# Altium PCB PCB_LEFT_AV-RK MK II_2023-07-26.pcbdoc
Units mil, origin at the board's own origin, x right, y up, seen from the top; angles counter-clockwise.
Board outline 9958.05 x 10182.91 mil, 2 copper layers (Top Layer, Bottom Layer); 52 components, 57 nets, 276 pads, 66 vias.
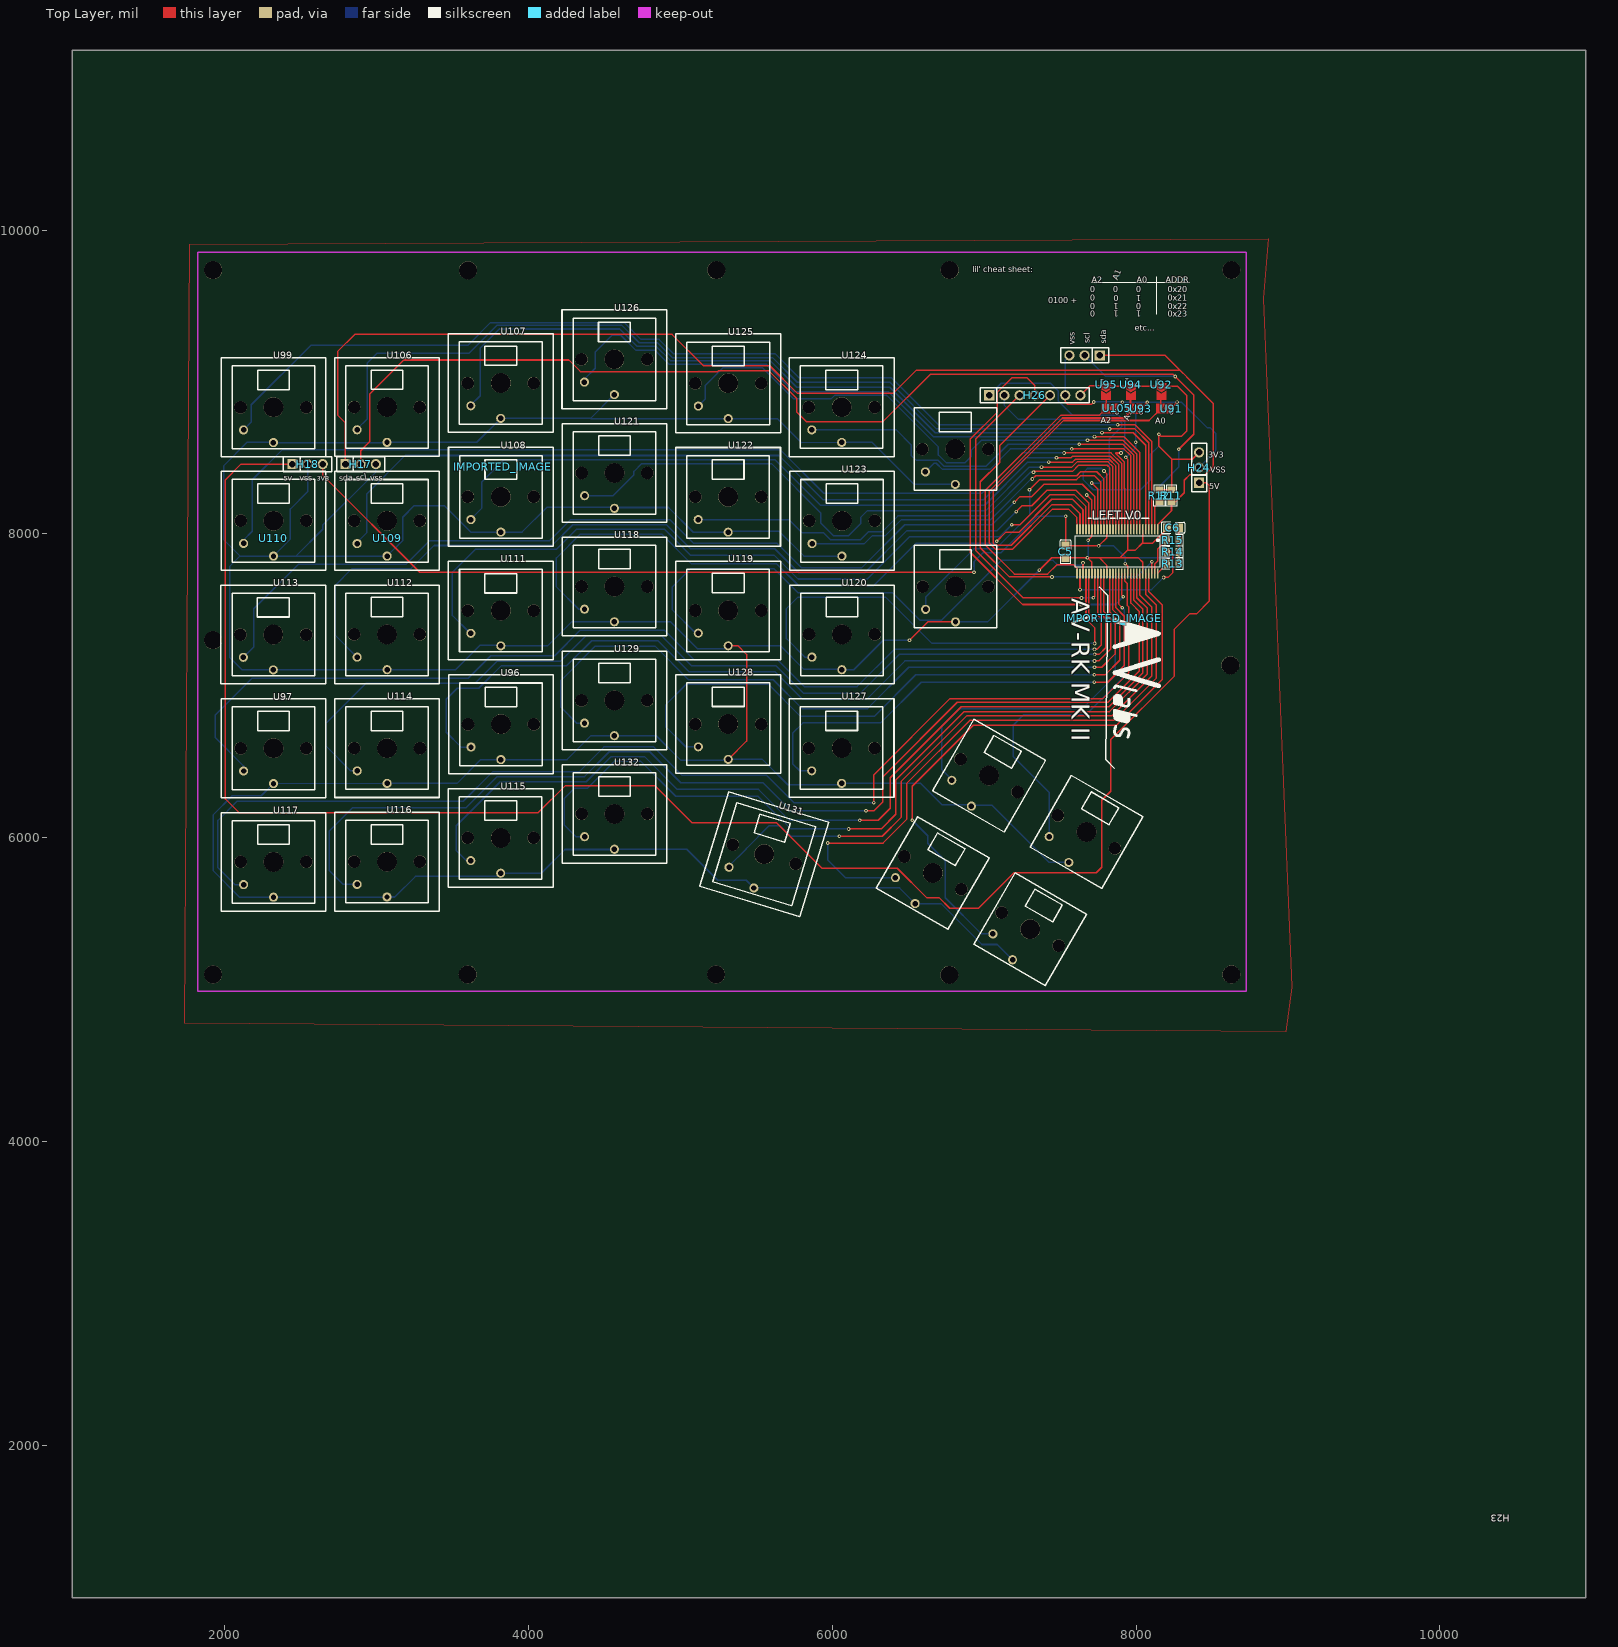
[diagram p0: Top Layer view]
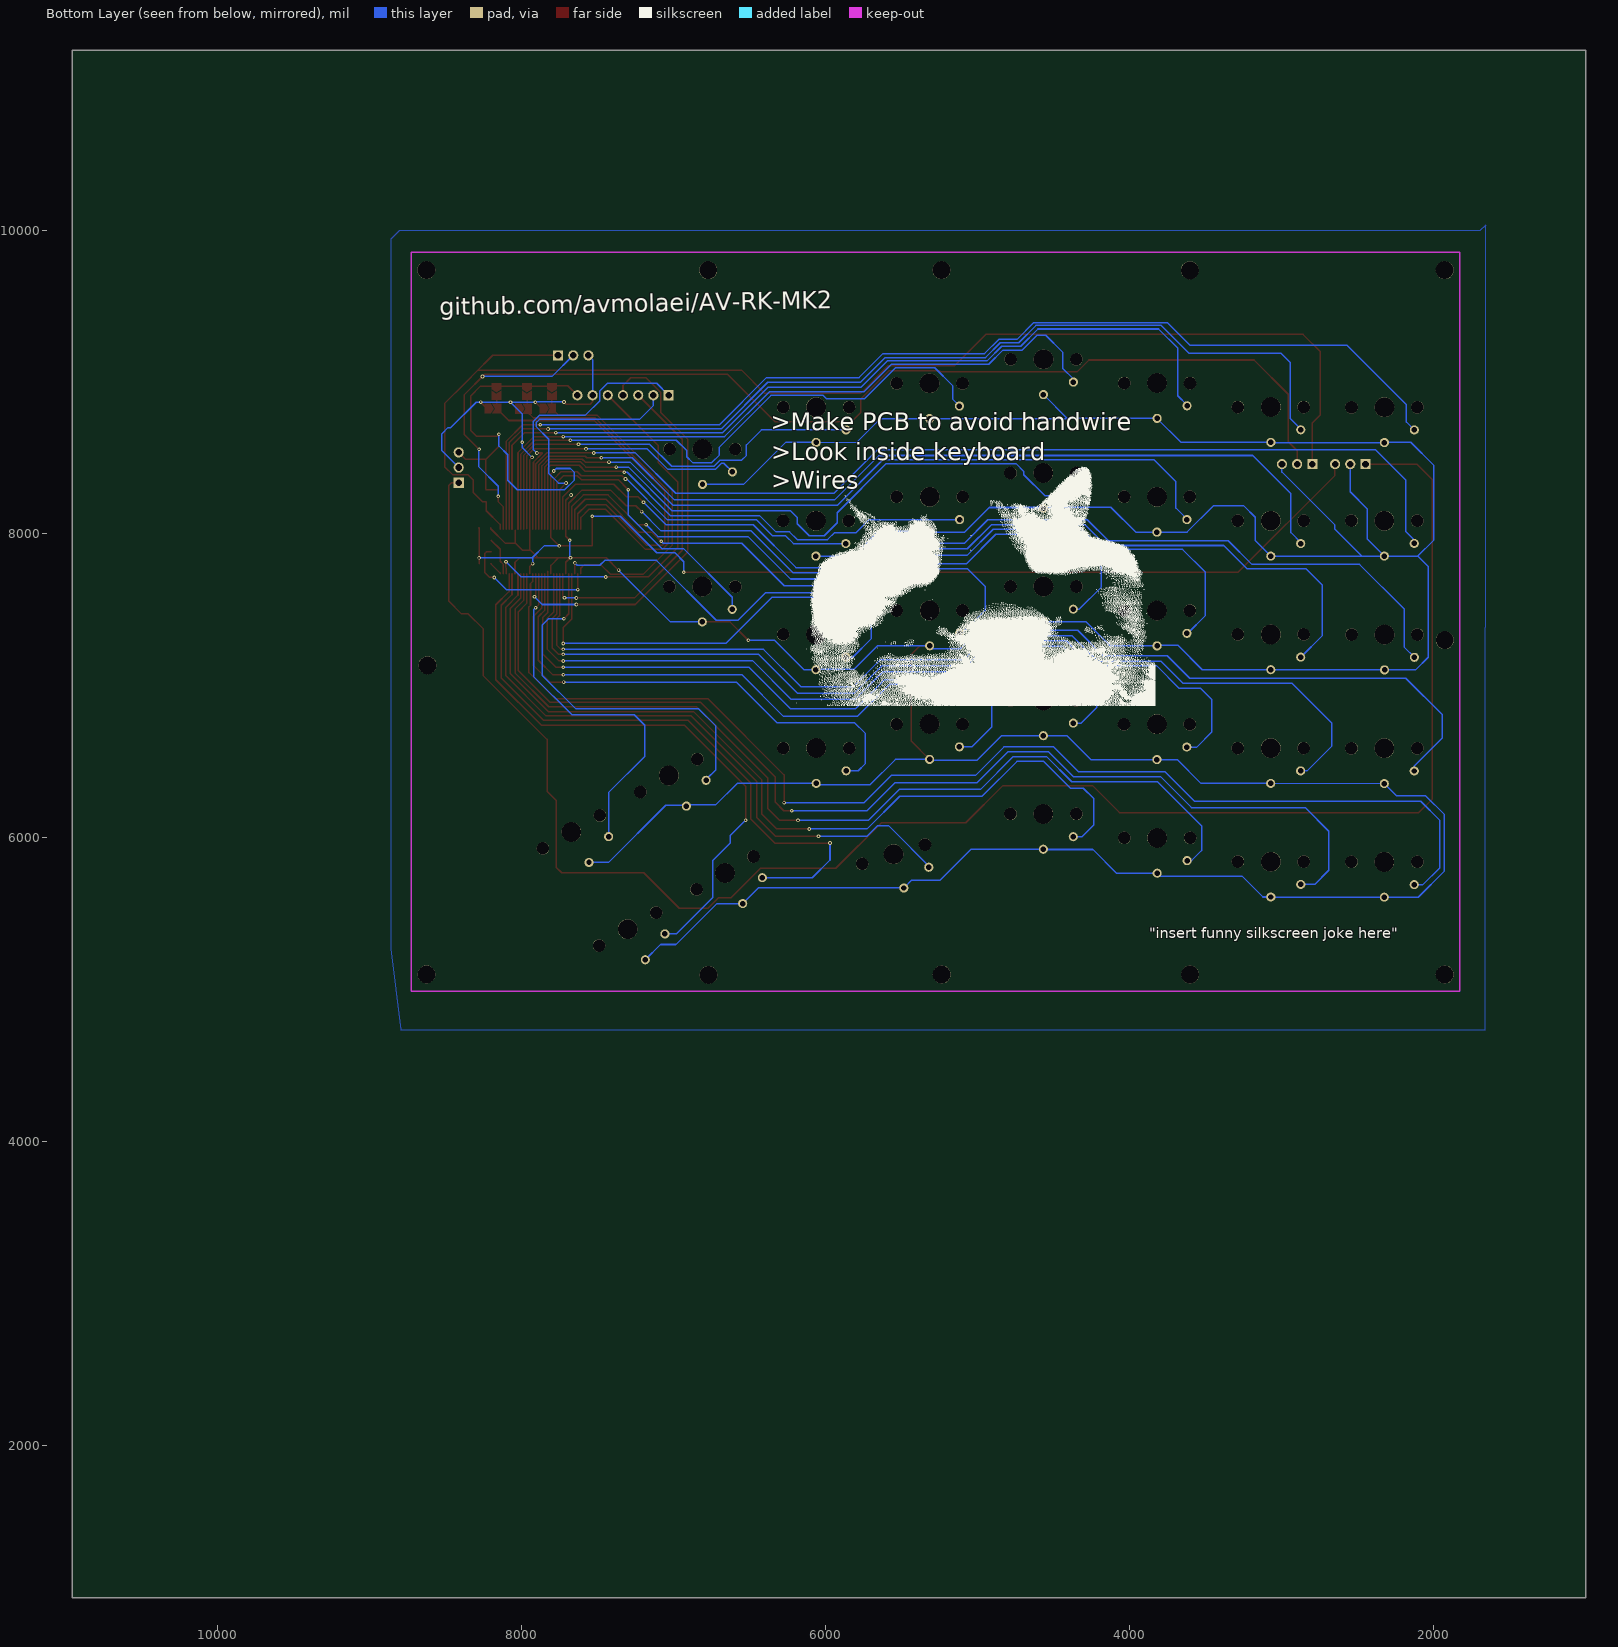
[diagram p1: Bottom Layer view, seen from below]

## Layer stack, top to bottom
Top Layer: signal copper (thickness not stored)
Dielectric: dielectric 12.6, FR-4, Dk 4.8
Bottom Layer: signal copper (thickness not stored)

## Board outline
10958.05,1000 1000,1000 1000,11182.91 10958.05,11182.91

## Components (designator, comment, footprint, x,y, rotation, side; value= is the part's Value field where it differs from the comment)
C5 "100nF" C0805 7536.4,7883.11 r270 top
C6 "100nF" C0805 8243.09,8040.99 r180 top
H17 "I2C_POGO_L" HDR-TH_3P-P2.54-V-M 2897.82,8459.49 r0 top
H18 "PWR_POGO_L" HDR-TH_3P-P2.54-V-M 2548.22,8459.49 r0 top
H23 "I2C_POGO_R" HDR-TH_3P-P2.54-V-M 7661.59,9175.24 r180 top
H24 "PWR_POGO_R" HDR-TH_3P-P2.54-V-M 8415.14,8437.05 r90 top
H26 "X6511WV-07H-C30D60" HDR-TH_7P-P2.54-V-M 7334.03,8912.64 r0 top
IMPORTED_IMAGE "IMPORTED_IMAGE" IMPORTED_IMAGE 3832.13,8443.5 r0 top
IMPORTED_IMAGE "IMPORTED_IMAGE" IMPORTED_IMAGE 7847.14,7443.81 r0 top
R11 "4.7kΩ" R0805 8233.25,8251.22 r90 top
R12 "4.7kΩ" R0805 8153.72,8250.04 r90 top
R13 "1.1kΩ" R0805 8241.91,7803.19 r0 top
R14 "1.1kΩ" R0805 8241.91,7881.54 r0 top
R15 "2kΩ" R0805 8241.12,7959.1 r0 top
U91 "beautiful-solderbridge" BEAUTIFUL-SOLDER-BRIDGE 8230.88,8824.45 r0 top
U92 "beautiful-solderbridge" BEAUTIFUL-SOLDER-BRIDGE 8167.1,8980.75 r90 top
U93 "beautiful-solderbridge" BEAUTIFUL-SOLDER-BRIDGE 8030.49,8824.06 r0 top
U94 "beautiful-solderbridge" BEAUTIFUL-SOLDER-BRIDGE 7966.32,8980.36 r90 top
U95 "beautiful-solderbridge" BEAUTIFUL-SOLDER-BRIDGE 7802.54,8980.36 r90 top
U96 "TECLA KAILH CHOC BAJO PERFIL 1350 RGB COPY" "TECLA  KAILH CHOC BAJO PERFIL 1350 RGB" 3820.66,6747.68 r0 top
U97 "TECLA KAILH CHOC BAJO PERFIL 1350 RGB COPY" "TECLA  KAILH CHOC BAJO PERFIL 1350 RGB" 2324.2,6589.81 r0 top
U99 "TECLA KAILH CHOC BAJO PERFIL 1350 RGB COPY" "TECLA  KAILH CHOC BAJO PERFIL 1350 RGB" 2323.81,8833.9 r0 top
U105 "beautiful-solderbridge" BEAUTIFUL-SOLDER-BRIDGE 7871.44,8826.42 r0 top
U106 "TECLA KAILH CHOC BAJO PERFIL 1350 RGB COPY" "TECLA  KAILH CHOC BAJO PERFIL 1350 RGB" 3071.05,8835.08 r0 top
U107 "TECLA KAILH CHOC BAJO PERFIL 1350 RGB COPY" "TECLA  KAILH CHOC BAJO PERFIL 1350 RGB" 3819.47,8992.95 r0 top
U108 "TECLA KAILH CHOC BAJO PERFIL 1350 RGB COPY" "TECLA  KAILH CHOC BAJO PERFIL 1350 RGB" 3820.26,8244.53 r0 top
U109 "TECLA KAILH CHOC BAJO PERFIL 1350 RGB COPY" "TECLA  KAILH CHOC BAJO PERFIL 1350 RGB" 3071.44,8086.66 r0 top
U110 "TECLA KAILH CHOC BAJO PERFIL 1350 RGB COPY" "TECLA  KAILH CHOC BAJO PERFIL 1350 RGB" 2324.2,8087.05 r0 top
U111 "TECLA KAILH CHOC BAJO PERFIL 1350 RGB COPY" "TECLA  KAILH CHOC BAJO PERFIL 1350 RGB" 3819.87,7495.71 r0 top
U112 "TECLA KAILH CHOC BAJO PERFIL 1350 RGB COPY" "TECLA  KAILH CHOC BAJO PERFIL 1350 RGB" 3071.44,7339.02 r0 top
U113 "TECLA KAILH CHOC BAJO PERFIL 1350 RGB COPY" "TECLA  KAILH CHOC BAJO PERFIL 1350 RGB" 2323.02,7337.84 r0 top
U114 "TECLA KAILH CHOC BAJO PERFIL 1350 RGB COPY" "TECLA  KAILH CHOC BAJO PERFIL 1350 RGB" 3071.84,6590.6 r0 top
U115 "TECLA KAILH CHOC BAJO PERFIL 1350 RGB COPY" "TECLA  KAILH CHOC BAJO PERFIL 1350 RGB" 3819.08,6000.05 r0 top
U116 "TECLA KAILH CHOC BAJO PERFIL 1350 RGB COPY" "TECLA  KAILH CHOC BAJO PERFIL 1350 RGB" 3071.05,5843.35 r0 top
U117 "TECLA KAILH CHOC BAJO PERFIL 1350 RGB COPY" "TECLA  KAILH CHOC BAJO PERFIL 1350 RGB" 2324.2,5842.17 r0 top
U118 "TECLA KAILH CHOC BAJO PERFIL 1350 RGB COPY" "TECLA  KAILH CHOC BAJO PERFIL 1350 RGB" 4567.5,7654.38 r0 top
U119 "TECLA KAILH CHOC BAJO PERFIL 1350 RGB COPY" "TECLA  KAILH CHOC BAJO PERFIL 1350 RGB" 5316.32,7496.5 r0 top
U120 "TECLA KAILH CHOC BAJO PERFIL 1350 RGB COPY" "TECLA  KAILH CHOC BAJO PERFIL 1350 RGB" 6064.35,7339.02 r0 top
U121 "TECLA KAILH CHOC BAJO PERFIL 1350 RGB COPY" "TECLA  KAILH CHOC BAJO PERFIL 1350 RGB" 4567.9,8401.22 r0 top
U122 "TECLA KAILH CHOC BAJO PERFIL 1350 RGB COPY" "TECLA  KAILH CHOC BAJO PERFIL 1350 RGB" 5315.93,8244.14 r0 top
U123 "TECLA KAILH CHOC BAJO PERFIL 1350 RGB COPY" "TECLA  KAILH CHOC BAJO PERFIL 1350 RGB" 6064.75,8086.66 r0 top
U124 "TECLA KAILH CHOC BAJO PERFIL 1350 RGB COPY" "TECLA  KAILH CHOC BAJO PERFIL 1350 RGB" 6063.17,8834.29 r0 top
U125 "TECLA KAILH CHOC BAJO PERFIL 1350 RGB COPY" "TECLA  KAILH CHOC BAJO PERFIL 1350 RGB" 5316.72,8991.38 r0 top
U126 "TECLA KAILH CHOC BAJO PERFIL 1350 RGB COPY" "TECLA  KAILH CHOC BAJO PERFIL 1350 RGB" 4567.11,9149.25 r0 top
U127 "TECLA KAILH CHOC BAJO PERFIL 1350 RGB COPY" "TECLA  KAILH CHOC BAJO PERFIL 1350 RGB" 6062.78,6590.99 r0 top
U128 "TECLA KAILH CHOC BAJO PERFIL 1350 RGB COPY" "TECLA  KAILH CHOC BAJO PERFIL 1350 RGB" 5316.72,6748.86 r0 top
U129 "TECLA KAILH CHOC BAJO PERFIL 1350 RGB COPY" "TECLA  KAILH CHOC BAJO PERFIL 1350 RGB" 4567.5,6904.77 r0 top
U131 "TECLA KAILH CHOC BAJO PERFIL 1350 RGB COPY" "TECLA  KAILH CHOC BAJO PERFIL 1350 RGB" 5553.72,5892.57 r343 top
U132 "TECLA KAILH CHOC BAJO PERFIL 1350 RGB COPY" "TECLA  KAILH CHOC BAJO PERFIL 1350 RGB" 4567.9,6157.53 r0 top
? "" ? 2866.64,10077.49 r0 top
? "" ? 8998.44,7300.83 r0 top
? "" ? 8320.65,5329.72 r0 top

## Footprints (in the part's own frame and the unit in brackets; to place one, negate y for a bottom-side part, rotate by r counter-clockwise, add the part's x,y. Pads: shape width x height; smd on the part's side, far side on the other; paste and mask are expansions set on the pad)
BEAUTIFUL-SOLDER-BRIDGE [mil]
  Top Layer region: -96.46,31.5 -37.4,31.5 -57.09,0 -37.4,-31.5 -96.46,-31.5
  Top Layer region: -47.24,0 -27.56,31.5 11.81,31.5 11.81,-31.5 -27.56,-31.5
C0805 [mm]
  rect 1.41x1.35 smd paste-100 mask+0.051: 1(-1,0) 2(1,0)
  silkscreen extent -1.96,-0.9 1.96,0.9
HDR-TH_3P-P2.54-V-M [mm]
  rect 1.7x1.7 hole 1.1 paste+0 mask+0.051: 1(-2.54,0)
  round 1.7 hole 1.1 paste+0 mask+0.051: 2(0,0) 3(2.54,0)
  silkscreen extent -4.02,-1.27 4.02,1.27
HDR-TH_7P-P2.54-V-M [mm]
  rect 1.7x1.7 hole 1.1 paste+0 mask+0.051: 1(-7.62,0)
  round 1.7 hole 1.1 paste+0 mask+0.051: 2(-5.08,0) 3(-2.54,0) 4(0,0) 5(2.54,0) 6(5.08,0) 7(7.62,0)
  silkscreen extent -9.1,-1.27 9.1,1.27
IMPORTED_IMAGE [mil]
R0805 [mil]
  rect 44.59x54.21 smd paste-3937.01 mask+2: 1(-39.37,0) 2(39.37,0)
  silkscreen extent -69,-36 69,36
"TECLA  KAILH CHOC BAJO PERFIL 1350 RGB" [mil]
  round 60 hole 36 paste+0 mask+2: 1(-196.85,-149.65) 2(0,-232.32)
  round 82.68 hole 82.68 unplated paste+0: ""(-216.53,-0.04) ""(216.54,-0.04)
  round 129.92 hole 129.92 unplated paste+0: ""(0,0)
  silkscreen extent -344,-325 344,325
? [mil]

## Free pads (board coordinates)
  round 60 hole 36 paste+0 mask+2: 1(6417.08,5738.17) 1(6613.96,8408.66) 1(6615.14,7503.94) 1(6787.55,6379.11) 1(7058.03,5368.09) 1(7428.5,6008.25) 2(6546.22,5568.14) 2(6810.81,8325.99) 2(6811.99,7421.27) 2(6916.69,6209.09) 2(7187.16,5198.06) 2(7557.64,5838.22)
  oval 11.02x66.93 smd paste+0 mask+2: 1(8143.09,8030.75) 2(8123.4,8030.75) 3(8103.72,8030.75) 4(8084.03,8030.75) 5(8064.35,8030.75) 6(8044.66,8030.75) 7(8024.98,8030.75) 8(8005.29,8030.75) 9(7985.61,8030.75) 10(7965.92,8030.75) 11(7946.24,8030.75) 12(7926.55,8030.75) 13(7906.87,8030.75) 14(7887.18,8030.75) 15(7867.5,8030.75) 16(7847.81,8030.75) 17(7828.13,8030.75) 18(7808.44,8030.75) 19(7788.76,8030.75) 20(7769.07,8030.75) 21(7749.39,8030.75) 22(7729.7,8030.75) 23(7710.02,8030.75) 24(7690.33,8030.75) 25(7670.65,8030.75) 26(7650.96,8030.75) 27(7631.28,8030.75) 28(7611.59,8030.75) 29(7611.59,7739.41) 30(7631.28,7739.41) 31(7650.96,7739.41) 32(7670.65,7739.41) 33(7690.33,7739.41) 34(7710.02,7739.41) 35(7729.7,7739.41) 36(7749.39,7739.41) 37(7769.07,7739.41) 38(7788.76,7739.41) 39(7808.44,7739.41) 40(7828.13,7739.41) 41(7847.81,7739.41) 42(7867.5,7739.41) 43(7887.18,7739.41) 44(7906.87,7739.41) 45(7926.55,7739.41) 46(7946.24,7739.41) 47(7965.92,7739.41) 48(7985.61,7739.41) 49(8005.29,7739.41) 50(8024.98,7739.41) 51(8044.66,7739.41) 52(8064.35,7739.41) 53(8084.03,7739.41) 54(8103.72,7739.41) 55(8123.4,7739.41) 56(8143.09,7739.41)
  round 118.11 hole 118.11 unplated paste+0: ""(1926.57,7300.84) ""(1926.96,5101.23) ""(1926.96,9735.87) ""(3602.15,5100.84) ""(3603.73,9735.08) ""(5236.79,5100.84) ""(5237.98,9735.88) ""(6771.44,5098.47) ""(6773.01,9735.48) ""(8620.65,7135.87) ""(8627.34,5101.63) ""(8627.74,9736.26)
  round 82.68 hole 82.68 unplated paste+0: ""(6474.85,5877.57) ""(6594.28,8558.27) ""(6595.46,7653.55) ""(6845.32,6518.51) ""(6849.89,5661.03) ""(7027.35,8558.27) ""(7028.53,7653.55) ""(7115.79,5507.49) ""(7220.37,6301.98) ""(7486.26,6147.65) ""(7490.84,5290.96) ""(7861.31,5931.11)
  round 129.92 hole 129.92 unplated paste+0: ""(6662.39,5769.34) ""(6810.81,8558.31) ""(6811.99,7653.59) ""(7032.86,6410.28) ""(7303.33,5399.26) ""(7673.8,6039.42)

## Via types
v1: diameter 24, hole 12, Top Layer to Bottom Layer, tented both sides, 65 vias
v2: diameter 24.02, hole 12, Top Layer to Bottom Layer, tented both sides, 1 vias

## Nets (pads, with @x,y where several pads share a name; then routed paths per layer and width w, separated by ;. In a path a pad name is that pad's centre, name@x,y a point inside that pad or via, vN(x,y) a via of type N, cw(c..) or ccw(c..) an arc to the next point about the centre after c; other vN are vias at no path point)
5V_MCU: H18.1 H24.1 | length 11820.1
  Top Layer w10: H18.1 2110.47,8459.53 2008.07,8357.13 2008.07,6255.53 2097.07,6166.63 4067.07,6166.63 4245.07,6344.53 4833.67,6344.53 5078.17,6100.03 5633.67,6100.03 5933.67,5800.03 6429.37,5800.03 6621.87,5607.53 6704.07,5607.53 6774.57,5537.03 6963.57,5537.03 7197.07,5770.53 7737.57,5770.53 7774.57,5807.53 7774.57,6248.03 7833.67,6307.13 7833.67,6647.73 8252.17,7066.23 8252.17,7374.03 8352.17,7474.03 8397.07,7474.03 8481.27,7558.23 ; H24.1@8415.14,8337.05 8462.38,8337.05 8481.28,8318.15 8481.28,7558.24 8475.01,7551.98
A0: pad.27 | length 2575.7
  Top Layer w10: pad.27@7631.27,8030.73 7631.27,8132.33 7572.97,8190.63 7443.87,8190.63 7178.57,7925.23 7074.57,7925.23 7059.27,7940.63 7059.27,8282.33 7523.37,8746.53 8085.97,8746.53 8163.97,8824.43 8163.95,8910.67 8167.1,8913.82
A1: pad.28 | length 2400.9
  Top Layer w10: pad.28@7611.57,8030.73 7610.77,8108.33 7555.67,8163.43 7450.97,8163.43 7185.57,7898.03 7076.17,7898.03 7035.57,7938.13 7035.57,8282.73 7515.97,8763.03 7922.27,8763.03 7963.57,8804.33 7963.57,8824.03 7963.56,8910.67 7966.32,8913.43
A2: pad.29 | length 2217.3
  Top Layer w10: pad.29 7611.57,7774.43 7589.97,7796.13 7478.17,7796.13 7417.87,7735.83 7199.77,7735.83 7008.47,7927.23 7008.47,8285.13 7505.67,8782.33 7760.37,8782.33 7804.47,8826.43 ; 7802.54,8913.43 7802.54,8828.39 7804.51,8826.42
INT_PCA: pad.55 R15.1 | length 252.1
  Top Layer w10: pad.55 8123.4,7801.61 8141.51,7819.73 8141.51,7898.86 R15.1@8201.75,7959.1
IO_0_0: pad.3 U99.1 | length 7238
  Top Layer w10: v2(7878.52,8718.94) 7993.49,8718.94 8103.72,8608.71 pad.3
  Bottom Layer w10: U99.1@2126.97,8684.23 2178.57,8735.83 2178.57,8850.03 2570.27,9241.73 3603.27,9241.73 3752.17,9390.63 4631.67,9390.63 4741.87,9280.33 4861.57,9280.33 4955.27,9186.63 5623.37,9186.63 5780.97,9029.13 6389.57,9029.13 6699.77,8718.93 v2(7878.52,8718.94)
IO_0_1: pad.4 U106.1 | length 6602.2
  Top Layer w10: v1@7826.97,8691.03 7992.67,8691.03 8084.07,8599.63 pad.4@8084.07,8030.73
  Bottom Layer w10: U106.1 2874.17,8690.23 2941.97,8757.93 2941.97,9126.83 3004.47,9189.43 3610.07,9189.43 3792.67,9372.13 4616.67,9372.13 4730.47,9258.33 4850.97,9258.33 4948.57,9160.63 5608.07,9160.63 5770.67,8998.03 6380.87,8998.03 6687.87,8691.03 v1@7826.97,8691.03
  other v1: 7826.95,8690.99
IO_0_2: pad.5 U107.1 | length 5707
  Top Layer w10: v1@7776.17,8666.53 7981.27,8666.53 8064.37,8583.53 pad.5@8064.37,8030.73
  Bottom Layer w10: U107.1@3622.67,8843.33 3622.67,8848.43 3684.07,8909.93 3684.07,9222.83 3809.87,9348.63 4603.17,9348.63 4716.37,9235.43 4841.87,9235.43 4936.37,9141.03 5592.27,9141.03 5767.47,8965.83 6379.67,8965.83 6678.87,8666.53 v1@7776.17,8666.53
  other v1: 7776.16,8666.58
IO_0_3: pad.7 U126.1 | length 4680.4
  Top Layer w10: v1@7726.97,8640.63 7919.47,8640.63 8024.97,8535.13 pad.7@8024.97,8030.73
  Bottom Layer w10: U126.1 4370.27,9018.93 4441.57,9090.23 4441.57,9196.93 4552.17,9307.53 4609.23,9307.53 4706.87,9209.88 4833.25,9209.88 4926.56,9116.58 5566.91,9116.58 5748.05,8935.43 6370.67,8935.43 6665.47,8640.63 v1@7726.97,8640.63
  other v1: 7726.95,8640.59
IO_0_4: pad.8 U125.1 | length 3966.1
  Top Layer w10: v1@7680.47,8616.53 7914.77,8616.53 8005.27,8526.03 pad.8@8005.27,8030.73
  Bottom Layer w10: U125.1 5119.87,8842.93 5165.57,8888.63 5165.57,8976.83 5282.07,9093.33 5541.17,9093.33 5743.87,8890.63 5995.87,8890.63 6016.67,8911.43 6360.77,8911.43 6360.77,8910.23 6699.77,8571.33 6699.77,8519.33 6749.77,8469.33 6875.77,8469.33 6914.77,8508.33 6914.77,8548.43 6982.87,8616.53 v1@7680.47,8616.53
  other v1: 7680.49,8616.58
IO_0_5: pad.9 U124.1 | length 2837.4
  Top Layer w10: v1(7626.56,8590.59) 7913.97,8590.63 7985.57,8518.93 pad.9@7985.57,8030.73
  Bottom Layer w10: U124.1 6423.06,8684.64 6521.44,8586.26 6521.44,8516.97 6552.15,8486.26 6694.67,8486.26 6736.01,8444.92 7013.56,8444.92 7159.23,8590.59 v1(7626.56,8590.59)
IO_0_6: pad.1@6613.96,8408.66 pad.10 | length 1951.2
  Top Layer w10: v1@7577.77,8562.23 7918.27,8562.23 7966.37,8514.23 pad.10@7966.37,8033.13
  Bottom Layer w10: pad.1@6615.14,8409.84 6613.96,8408.66 6671.09,8465.79 6685.61,8465.79 6726.56,8424.85 7038.76,8424.85 7173.79,8559.88 v1(7577.34,8559.88)
IO_0_7: H26.1 pad.12 | length 1844.8
  Top Layer w10: v1(7900.57,8532.72) 7866.76,8532.72 7865.17,8531.13 7922.87,8473.33 7922.87,8300.93 7926.57,8297.33 pad.12@7926.57,8030.73
  Bottom Layer w10: H26.1 7112.38,8990.99 7436.4,8990.99 7487.58,8939.81 7487.58,8875.24 7580.88,8781.93 7882.46,8781.93 7925.77,8738.62 7925.77,8557.92 v1(7900.57,8532.72)
IO_1_0: pad.13 U110.1 | length 6937.3
  Top Layer w10: v1@7526.97,8533.13 7835.57,8533.13 7906.87,8461.83 pad.13@7906.87,8030.73
  Bottom Layer w10: U110.1 2127.37,7959.93 2184.87,8017.33 2184.87,8356.73 2383.27,8555.13 5657.67,8555.13 5945.47,8267.33 6986.37,8267.33 7252.17,8533.13 v1@7526.97,8533.13
  other v1: 7526.95,8533.11
IO_1_1: pad.14 U109.1 | length 6101.7
  Top Layer w10: v1@7476.17,8508.73 v1(7476.17,8502.03) 7572.67,8502.03 7582.07,8511.43 7830.87,8511.43 7887.17,8455.13 pad.14@7887.17,8030.73
  Bottom Layer w10: U109.1 2874.57,7944.53 2938.77,8008.73 2938.77,8264.63 3190.37,8516.23 5649.67,8516.23 5942.27,8223.63 6994.67,8223.63 7272.97,8502.03 v1(7476.17,8502.03)
IO_1_2: pad.15 U108.1 | length 5194.9
  Top Layer w10: v1@7425.77,8472.83 7582.47,8472.83 7601.77,8492.13 7823.37,8492.13 7867.47,8448.03 pad.15@7867.47,8030.73
  Bottom Layer w10: U108.1 3623.37,8098.43 3695.47,8170.53 3695.47,8343.73 3839.57,8487.83 5624.67,8487.83 5923.07,8189.43 7004.47,8189.43 7287.97,8472.93 v1(7425.77,8472.88)
IO_1_3: pad.16 U121.1 | length 4461.3
  Top Layer w10: v1(7378.17,8439.83) 7577.77,8439.83 7611.57,8473.63 7815.97,8473.63 7847.77,8441.73 pad.16@7847.77,8030.73
  Bottom Layer w10: U121.1@4371.07,8251.53 4557.57,8251.53 4696.27,8390.23 4696.27,8411.03 4748.17,8463.03 5601.37,8463.03 5924.17,8140.23 5924.17,8074.03 6010.07,7988.23 6108.07,7988.23 6187.17,8067.33 6187.17,8108.33 6230.07,8151.23 7009.27,8151.23 7297.87,8439.83 v1(7378.17,8439.83)
IO_1_4: pad.17 U122.1 | length 3380.4
  Top Layer w10: v1@7325.37,8405.53 7325.37,8411.43 7582.07,8411.43 7622.27,8451.63 7811.17,8451.63 7828.17,8434.73 pad.17@7828.17,8030.73
  Bottom Layer w10: U122.1 5714.77,8094.53 5799.77,8009.53 5941.17,8009.53 5987.57,7963.03 6187.97,7963.03 6238.37,8013.43 6327.77,8013.43 6433.27,8118.93 7019.87,8118.93 7306.37,8405.53 v1@7325.37,8405.53
  other v1: 7325.38,8405.55
IO_1_5: pad.19 U123.1 | length 2466.9
  Top Layer w10: v1@7317.87,8361.43 7339.97,8383.53 7609.27,8383.53 7634.87,8409.13 7741.07,8409.13 7788.77,8361.43 pad.19@7788.77,8030.73
  Bottom Layer w10: U123.1 6212.37,7937.03 6262.77,7987.43 6348.57,7987.43 6453.77,8092.53 7040.3,8092.53 7309.23,8361.46 v1(7317.9,8361.46)
IO_1_6: pad.1@6615.14,7503.94 pad.20 | length 1989.6
  Top Layer w10: v1(7299.39,8290.99) 7365.97,8357.53 7608.87,8357.53 7634.87,8383.53 7726.17,8383.53 7769.07,8340.63 pad.20@7769.07,8030.73
  Bottom Layer w10: pad.1@6615.14,7503.94 6615.14,7583.5 6932.87,7901.23 7075.37,7901.23 7299.36,8125.23 v1(7299.39,8290.99)
IO_1_7: H26.2 pad.21 | length 1715.8
  Top Layer w10: v1(7708.45,8335.08) 7749.39,8294.14 pad.21
  Bottom Layer w10: H26.2 7134.04,8845.36 7225.77,8753.63 7884.07,8753.63 7906.07,8731.53 7906.07,8707.13 7822.57,8623.63 7822.57,8398.43 7759.27,8335.13 v1@7708.47,8335.13
IO_2_0: pad.22 U113.1 | length 6731
  Top Layer w10: v1(7199.39,8208.7) 7236.77,8246.13 7313.17,8246.13 7394.67,8327.63 7646.67,8327.63 7729.67,8244.53 pad.22@7729.67,8030.73
  Bottom Layer w10: U113.1 2194.67,7256.73 2194.67,7507.13 2486.87,7799.23 3194.67,7799.23 3350.57,7955.13 4139.97,7955.13 4278.57,8093.73 4933.27,8093.73 5089.17,7937.83 5638.37,7937.83 5797.07,7779.13 6195.87,7779.13 6477.37,8060.63 7051.37,8060.63 v1(7199.39,8208.7)
IO_2_1: pad.24 U112.1 | length 6220.1
  Top Layer w10: v1(7211.2,8147.29) 7250.18,8186.26 7313.17,8186.26 7415.92,8289.02 7602.93,8289.02 7690.33,8201.62 pad.24
  Bottom Layer w10: U112.1 2731.68,7332.28 2731.68,7663.04 2841.13,7772.48 3229.71,7772.48 3381.29,7924.06 4156.09,7924.06 4293.1,8061.07 4909.63,8061.07 5068.69,7902.01 5622.62,7902.01 5780.1,7744.53 6215.14,7744.53 6493.09,8022.48 7086.4,8022.48 v1(7211.2,8147.29)
IO_2_2: pad.25 U111.1 | length 5288
  Top Layer w10: v1(7181.68,8061.07) 7236,8061.07 7432.07,8257.13 7594.27,8257.13 7670.65,8180.75 pad.25
  Bottom Layer w10: U111.1 3618.34,7346.06 3501.76,7462.64 3501.76,7748.08 3651.76,7898.07 4185.22,7898.07 4318.69,8031.54 4897.82,8031.54 5070.26,7859.1 5620.65,7859.1 5776.16,7703.59 6231.67,7703.59 6511.2,7983.11 7103.72,7983.11 v1(7181.68,8061.07)
IO_2_3: pad.26 U118.1 | length 4499.4
  Top Layer w10: v1(7082.86,7952.01) 7141.17,8010.33 7228.57,8010.33 7445.87,8228.43 7581.67,8228.43 7650.97,8159.13 pad.26@7650.97,8030.73
  Bottom Layer w10: U118.1 4332.51,7504.72 4186.01,7651.23 4186.01,7842.17 4341.52,7997.68 4880.5,7997.68 5074.98,7803.19 5636.01,7803.19 5780.49,7658.71 6273.01,7658.71 6552.54,7938.23 7069.08,7938.23 v1(7082.86,7952.01)
IO_2_4: pad.31 U119.1 | length 3530.5
  Top Layer w10: v1(7650.57,7809.49) 7650.96,7809.1 pad.31
  Bottom Layer w10: U119.1@5119.47,7346.83 5102.57,7346.83 4948.97,7500.43 4948.97,7652.83 5067.47,7771.33 5617.47,7771.33 5775.37,7613.43 6396.67,7613.43 6577.77,7432.33 6719.87,7432.33 7113.57,7826.03 7454.47,7826.03 7486.37,7794.13 7635.17,7794.13 v1(7650.57,7809.49)
IO_2_5: pad.32 U120.1 | length 3083.8
  Top Layer w10: pad.32@7670.67,7739.43 7670.67,7441.03 7727.37,7384.33 v1@7727.37,7279.53
  Bottom Layer w10: U120.1@5867.47,7189.33 5821.47,7189.33 5699.37,7311.43 5699.37,7509.13 5772.97,7582.73 6354.47,7582.73 6657.67,7279.53 v1(7727.34,7279.53)
IO_2_6: pad.1@6787.55,6379.11 pad.33 | length 2458
  Top Layer w10: pad.33 7690.33,7474.85 v1(7723.01,7442.17)
  Bottom Layer w10: pad.1@6785.57,6385.43 6722.57,6448.33 6722.57,6735.43 6835.57,6848.43 7643.87,6848.43 7864.77,7069.33 7864.77,7401.23 7823.83,7442.17 v1(7723.01,7442.17)
IO_2_7: H26.3 pad.35 | length 2209.2
  Top Layer w10: H26.3 6944.27,8622.87 6944.27,7892.53 7258.07,7578.83 v1@7640.77,7578.83 ; v1(7719.08,7579.97) 7729.7,7590.59 pad.35
  Bottom Layer w10: v1(7640.73,7578.78) 7641.91,7579.97 v1(7719.08,7579.97)
IO_3_0: pad.36 U97.1 | length 7251.1
  Top Layer w10: v1@7726.97,7240.23 7741.17,7240.23 7770.67,7269.73 7770.67,7443.33 7749.37,7464.63 pad.36
  Bottom Layer w10: U97.1 2127.35,6473.27 1941.92,6658.71 1941.92,6810.28 2182.86,7051.23 3605.3,7051.23 3753.33,7199.26 4175.38,7199.26 4341.91,7365.79 4897.82,7365.79 5090.34,7173.27 5638.76,7173.27 5816.32,6995.72 6164.35,6995.72 6408.84,7240.2 v1(7726.95,7240.2)
IO_3_1: pad.37 U114.1 | length 6576.5
  Top Layer w10: v1@7727.37,7207.53 7756.87,7207.53 7800.97,7251.63 7800.97,7442.53 7769.07,7474.43 pad.37
  Bottom Layer w10: U114.1@2874.97,6440.93 2833.27,6440.93 2669.07,6605.13 2669.07,6754.03 2932.07,7016.93 3649.37,7016.93 3794.67,7162.23 4211.97,7162.23 4380.07,7330.33 4876.97,7330.33 5075.77,7131.53 5632.07,7131.53 5813.17,6950.43 6184.07,6950.43 6441.17,7207.53 v1(7727.34,7207.53)
IO_3_2: pad.38 U96.1 | length 5765.9
  Top Layer w10: v1@7726.97,7164.23 7755.27,7164.23 7833.67,7242.53 7833.67,7443.33 7788.77,7488.23 pad.38
  Bottom Layer w10: U96.1 3557.67,6598.03 3461.17,6694.53 3461.17,6913.03 3533.27,6985.13 3674.57,6985.13 3823.77,7134.33 4254.47,7134.33 4417.87,7297.73 4854.07,7297.73 5058.07,7093.73 5624.57,7093.73 5807.27,6911.03 6226.17,6911.03 6479.27,7164.23 v1(7726.95,7164.23)
IO_3_3: pad.40 U129.1 | length 4992.3
  Top Layer w10: v1@7726.97,7122.53 7774.57,7122.53 7861.97,7209.93 7861.97,7450.03 7827.77,7484.33 pad.40@7827.77,7754.73
  Bottom Layer w10: U129.1 4319.91,6755.12 4215.54,6859.49 4215.54,7035.87 4441.52,7261.86 4834.04,7261.86 5054.9,7040.99 5612.38,7040.99 5802.15,6851.23 6233.64,6851.23 6504.9,7122.49 v1(7726.95,7122.49)
IO_3_4: pad.41 U128.1 | length 4285.6
  Top Layer w10: v1@7726.17,7073.63 7727.77,7072.13 7795.07,7072.13 7892.27,7169.33 7892.27,7455.53 7847.77,7500.03 pad.41
  Bottom Layer w10: U128.1 5037.27,6599.23 4906.87,6729.53 4906.87,6877.23 5040.37,7010.63 5581.27,7010.63 5792.27,6799.63 6276.97,6799.63 6550.97,7073.63 v1@7726.17,7073.63
  other v1: 7726.16,7073.67
IO_3_5: pad.42 U127.1 | length 3340.6
  Top Layer w10: v1(7724.98,7024.85) 7813.57,7024.83 7922.97,7134.33 7922.97,7458.33 7867.47,7513.83 pad.42
  Bottom Layer w10: U127.1@5865.97,6441.33 5786.47,6441.33 5741.17,6486.63 5741.17,6689.43 5808.47,6756.73 6319.07,6756.73 6587.19,7024.85 v1(7724.98,7024.85)
IO_3_6: pad.1@7428.5,6008.25 pad.43 | length 2386.8
  Top Layer w10: pad.43 7887.18,7536.27 v1(7909.23,7514.22)
  Bottom Layer w10: pad.1@7428.5,6008.24 7428.5,6299.28 7191.51,6536.27 7191.51,6741.38 7260.02,6809.89 7670.25,6809.89 7922.22,7061.86 7922.22,7501.23 v1(7909.23,7514.22)
IO_3_7: H26.4 pad.44 | length 2825.1
  Top Layer w10: H26.4 7334.04,8977.26 7283.27,9028.03 7183.27,9028.03 7085.17,8929.93 7085.17,8800.03 6909.27,8624.03 6909.27,7880.33 7253.77,7535.83 v1@7640.77,7535.83 ; pad.44 7906.87,7596.11 v1(7916.32,7586.66)
  Bottom Layer w10: v1(7640.73,7535.87) 7865.53,7535.87 v1(7916.32,7586.66)
IO_4_0: pad.45 U117.1 | length 7994.9
  Top Layer w10: v1(6273.8,6232.33) 6273.77,6413.83 6776.57,6916.63 7781.67,6916.63 7953.37,7088.23 7953.37,7519.33 7942.68,7530.02 7942.68,7673.29 7926.55,7689.42 pad.45
  Bottom Layer w10: U117.1 2069.92,5692.52 1958.45,5803.98 1958.45,6115.4 2084.05,6240.99 3572.62,6240.99 3765.54,6433.9 4334.43,6433.9 4499,6598.47 4826.95,6598.47 5013.96,6411.46 5569.47,6411.46 5749,6231.94 v1@6272.23,6231.94
IO_4_1: pad.47 U116.1 | length 7331.2
  Top Layer w10: v1(6223.41,6178.79) 6275.77,6178.83 6332.87,6235.83 6332.87,6401.63 6824.17,6892.93 7814.77,6892.93 8022.27,7100.43 8022.27,7488.63 7965.97,7544.93 pad.47@7965.97,7739.43
  Bottom Layer w10: U116.1 2782.51,5693.71 2689.55,5786.66 2689.55,6044.14 2845.07,6199.65 3593.09,6199.65 3796.64,6403.2 4371.05,6403.2 4534.04,6566.19 4800.58,6566.19 5004.12,6362.64 5545.06,6362.64 5728.92,6178.79 v1(6223.41,6178.79)
IO_4_2: pad.48 U115.1 | length 6364.5
  Top Layer w10: v1(6182.07,6115.4) 6303.37,6115.43 6382.47,6194.53 6382.47,6396.13 6849.77,6863.43 7821.87,6863.43 8044.27,7085.83 8044.27,7506.73 7985.57,7565.43 pad.48
  Bottom Layer w10: U115.1 3592.75,5850.4 3526.56,5916.58 3526.56,6079.97 3815.93,6369.34 4381.68,6369.34 4547.43,6535.09 4765.93,6535.09 4981.67,6319.34 5515.93,6319.34 5719.87,6115.4 v1(6182.07,6115.4)
IO_4_3: pad.49 U132.1 | length 5707
  Top Layer w10: v1@6108.47,6058.73 6322.97,6058.73 6419.47,6155.13 6419.47,6381.13 6869.47,6831.13 7825.37,6831.13 8074.97,7080.73 8074.97,7511.03 8005.27,7580.73 pad.49
  Bottom Layer w10: U132.1 4314,6007.88 4236.8,6085.09 4236.8,6258.71 4305.3,6327.21 4389.55,6327.21 4565.93,6503.59 4741.91,6503.59 4971.05,6274.46 5513.17,6274.46 5728.92,6058.71 v1(6108.45,6058.71)
IO_4_4: pad.50 U131.1 | length 4212.7
  Top Layer w10: v1@6047.87,6010.33 6329.67,6010.33 6454.07,6134.73 6454.07,6371.33 6885.27,6802.43 7839.97,6802.43 8104.47,7066.93 8104.47,7518.13 8024.97,7597.73 pad.50
  Bottom Layer w10: U131.1@5321.77,5807.03 5321.77,5814.53 5436.37,5929.23 5436.37,5930.73 5586.77,6081.13 5657.67,6081.13 5728.17,6010.63 v1@6048.17,6010.63
  other v1: 6047.82,6010.28
IO_4_5: pad.1@6417.08,5738.17 pad.52 | length 4072.1
  Top Layer w10: v1@5971.87,5966.23 6334.87,5966.23 6492.67,6124.03 6492.67,6360.63 6905.27,6773.23 7854.87,6773.23 8134.47,7052.83 8134.47,7531.13 8064.37,7601.23 pad.52@8064.37,7739.43
  Bottom Layer w10: v1@5971.86,5966.23 5971.86,5854.33 6088.04,5738.16 pad.1@6417.08,5738.16
  other v1: 5971.84,5966.19
IO_4_6: pad.1@7058.03,5368.09 pad.53 | length 3903.9
  Top Layer w10: v1(6527.35,6115.8) 6527.34,6340.2 6928.52,6741.39 7871.04,6741.39 8171.04,7041.38 8171.04,7533.9 8084.03,7620.91 pad.53
  Bottom Layer w10: v1(6527.35,6115.8) 6629.71,6013.44 6629.71,5964.22 6744.66,5849.26 6744.66,5606.74 6983.31,5368.09 pad.1@7058.03,5368.09
IO_4_7: H26.5 pad.54 | length 2521.2
  Top Layer w10: H26.5 7102.57,8581.17 7102.57,8470.93 6974.97,8343.33 6974.97,7909.53 7167.47,7716.93 v1(7447.07,7716.93) ; pad.54@8103.77,7739.43 v1@8104.07,7816.93
  Bottom Layer w10: v1(7447.07,7716.93) 8004.07,7716.93 v1(8104.12,7816.97)
OE_PCA: pad.30 R14.1 | length 933.4
  Top Layer w10: v1(7631.28,7633.9) pad.30 ; v1(8181.28,7713.43) 8211.17,7714.23 8243.07,7746.13 8243.07,7871.33 8232.87,7881.53 R14.1@8202.57,7881.53
  Bottom Layer w10: v1(7631.28,7633.9) 8101.75,7633.9 v1(8181.28,7713.43)
RESET_PCA: pad.56 R13.1 | length 88.4
  Top Layer w10: pad.56 8143.09,7743.74 R13.1
S$60765: 
S$90807: 
S$91134: 
S$91138: 
S$91322: 
S$91326: 
SCL_PCA: H17.2 H23.2 pad.2@8123.4,8030.75 R12.1 | length 8054.3
  Top Layer w10: H17.2@2897.87,8459.53 2897.87,8548.03 2956.07,8606.33 2956.07,8919.73 3181.17,9144.73 4268.07,9144.73 4343.87,9068.93 5247.87,9068.93 5251.37,9072.53 5584.87,9072.53 5768.27,8889.03 5768.27,8800.43 5829.27,8739.43 6334.87,8739.43 6646.66,9051.22 8243.08,9051.22 8379.67,8914.63 8379.67,8655.91 v1(8280.88,8557.13) ; pad.2@8123.4,8030.75 8123.4,8180.35 R12.1 8153.72,8245.71 v1(8155.29,8247.29)
  Bottom Layer w10: H23.2 7800.57,9036.26 v1(8258.05,9036.26) ; v1(8155.29,8247.29) 8155.3,8314.66 8281.67,8441.03 8281.67,8556.35 v1(8280.88,8557.13)
SDA_PCA: H17.1 H23.1 pad.1@8143.09,8030.75 R11.1 | length 8536.6
  Top Layer w10: H17.1@2797.87,8459.53 2797.87,8730.73 2746.27,8782.33 2746.27,9200.43 2858.87,9313.03 4946.67,9313.03 5153.37,9106.33 5589.97,9106.33 5771.47,8924.83 6401.37,8924.83 6554.57,9078.03 8288.67,9078.03 8375.77,8990.93 8507.67,8859.03 8507.67,8442.53 8455.67,8390.63 8355.67,8390.63 8317.87,8352.83 8317.87,8270.53 8259.27,8211.83 8233.27,8211.83 8233.27,8153.23 8143.07,8063.03 pad.1@8143.07,8030.73 ; H23.1 8191.46,9175.24 8310.48,9056.22
VDD_PCA: C5.1 C6.1 H18.3 H24.3 H26.7 pad.18 pad.46 R11.2 R12.2 R13.2 R14.2 R15.2 | length 10163.5
  Top Layer w10: H18.3 2649.37,8458.33 2649.37,8385.53 3287.17,7747.73 v1@6934.07,7747.73 ; C5.1 v1(7536.77,8116.93) ; C5.1 7752.53,7922.48 v1(7753.72,7921.3) 7808.05,7975.63 pad.18@7808.05,8031.15 ; H26.7 7697.03,8975.63 7799.39,8975.63 7802.54,8972.49 ; v1@7789.57,8414.23 7808.47,8395.33 pad.18@7808.47,8030.73 ; 7799.78,8973.67 7800.57,8972.88 8167.11,8972.88 8271.82,8972.88 8334.82,8909.89 8334.82,8679.18 8298.6,8642.96 8163.95,8642.96 v1(8150.57,8656.34) 8150.57,8577.21 8236.4,8491.38 ; v1(7928.52,7804.77) 7946.24,7787.05 pad.46 ; R12.2 8154.9,8290.6 R11.2 8236.4,8293.74 8236.4,8491.38 ; R13.2 8281.28,8039.81 C6.1 ; H24.3@8415.14,8537.05 8369.47,8491.38 8236.4,8491.38
  Bottom Layer w10: v1@6934.07,7747.73 6933.67,7817.73 6992.67,7876.83 7111.57,7876.83 7351.77,8116.93 v1(7536.77,8116.93) ; v1(7753.72,7921.3) 7853.72,7921.3 7928.52,7846.5 ; v1(7789.55,8414.22) 7773.01,8430.75 7679.7,8430.75 7653.72,8404.77 7653.72,8355.56 7718.68,8290.59 8030.1,8290.59 8092.3,8352.8 8092.3,8520.51 8150.57,8578.78 v1(8150.57,8656.34) ; v1(7928.52,7804.77) 7928.52,7846.5 ; v1(8280.88,7842.56) 7932.46,7842.56 7928.52,7846.5
  other v1: 6934.04,7747.68
VSS_PCA: C5.2 C6.2 H17.3 H18.2 H23.3 H24.2 H26.6 pad.2@6546.22,5568.14 pad.2@6810.81,8325.99 pad.2@6811.99,7421.27 pad.2@6916.69,6209.09 pad.2@7187.16,5198.06 pad.2@7557.64,5838.22 pad.6 pad.11 pad.23 pad.34 pad.39 pad.51 U96.2 U97.2 U99.2 U106.2 U107.2 U108.2 U109.2 U110.2 U111.2 U112.2 U113.2 U114.2 U115.2 U116.2 U117.2 U118.2 U119.2 U120.2 U121.2 U122.2 U123.2 U124.2 U125.2 U126.2 U127.2 U128.2 U129.2 U131.2 U132.2 | length 36735.6
  Top Layer w10: U119.2 5380.53,7264.18 5437.19,7207.53 5437.19,6637.02 U128.2 ; v1(6509.14,7300.83) 6629.57,7421.27 pad.2@6811.99,7421.27 ; v1@7362.77,7761.85 7444.66,7843.74 C5.2 v1(7679.71,7843.74) 7710.02,7813.43 pad.34 ; H26.6 7534.04,8869.72 7550.18,8853.58 7707.26,8853.58 v1@7722.22,8868.55 ; 7665.17,7843.73 7758.87,7843.73 7808.47,7792.53 pad.39@7808.47,7739.43 ; v1@7675.37,8255.95 7710.02,8221.3 pad.23 7710.02,7984.69 v1(7684.43,7959.1) ; 7730.1,7842.56 8015.92,7842.56 8044.66,7813.83 pad.51 ; 7863.57,8826.42 7870.25,8826.42 v1(7910.41,8866.58) ; 7892.28,7842.56 7946.24,7896.52 pad.11 7946.23,8489.81 v1(7932.07,8503.98) ; 7941.25,7891.53 7994.03,7891.53 8044.27,7941.78 pad.6@8044.27,8024.85 ; 8022.62,8824.06 8031.67,8824.06 v1(8073.8,8866.18) ; 8040.11,7937.62 8106.65,7937.62 8203.72,8034.69 C6.2 ; 8223.02,8824.45 8227.34,8824.45 v1(8270.26,8867.36)
  Bottom Layer w10: U97.2 3071.87,6358.23 3530.87,6358.23 3687.57,6515.03 3820.67,6515.33 4256.47,6515.33 4413.97,6672.93 U129.2 ; U110.2 3071.47,7854.33 3174.2,7957.09 3174.2,8110.67 3247.82,8184.3 3450.58,8184.3 3622.66,8012.21 U108.2 3959.99,8012.21 4124.2,8176.42 4560.38,8176.42 U121.2 4573.05,8174.06 4924.2,8174.06 5086.44,8011.82 U122.2 5322.66,8018.55 5650.57,8018.55 5814.78,7854.34 U123.2 ; U97.2 2243.53,6276.82 2052.55,6276.82 1928.93,6153.2 1928.93,5782.33 2101.41,5609.85 U117.2 3069.87,5609.85 U116.2 3122.59,5611.03 3258.06,5746.51 3797.86,5746.51 U115.2 4085.97,5767.73 4241.91,5923.67 4566.36,5923.67 U132.2 5043.52,5925.21 5247.42,5721.31 5434.89,5721.31 U131.2 6443.98,5670.4 6546.23,5568.15 6716.33,5568.15 6986.01,5298.47 7086.76,5298.47 pad.2@7187.17,5198.07 ; 2472.97,7854.63 2648.97,8030.63 2648.97,8058.73 2997.87,8407.53 H17.3@2997.87,8459.53 ; H18.2 2548.21,8277.2 2436.01,8165 2436.01,7966.54 U110.2 2103.77,7854.73 ; U111.2 3815.89,7267.37 3682.47,7267.37 3521.8,7106.7 U112.2 3070.26,7105.52 U113.2 2118.33,7105.52 2035.23,7188.63 2035.23,7786.19 2103.77,7854.73 ; U111.2 4128.07,7263.43 4285.97,7421.33 U118.2@4567.47,7422.03 ; 4410.81,8759.06 U125.2 ; U126.2 4410.81,8760.64 U107.2 3661.6,8602.76 U106.2 3069.87,8601.58 U99.2 2322.59,8602.8 2150.58,8602.8 1997.83,8450.04 1997.83,7960.67 2103.77,7854.73 ; U129.2 4843.52,6672.45 5006.09,6509.89 5310.06,6509.89 U128.2 5541.16,6516.55 5708.45,6349.26 6053.37,6349.26 U127.2 6582.89,6358.67 6724.59,6216.98 6913.14,6216.98 pad.2@6914.73,6215.39 ; U118.2 4936.83,7422.06 5115.53,7243.35 5295.49,7243.35 U119.2 5659.66,7264.18 5815.53,7108.31 6062.74,7108.31 U120.2 ; U125.2@5316.67,8759.03 5639.17,8759.03 5797.07,8601.23 6063.17,8601.93 6264.36,8601.93 6540.31,8325.99 pad.2@6810.81,8325.99 ; U120.2 6142.67,7106.73 6336.77,7300.83 v1@6514.77,7300.83 ; pad.2@6811.99,7421.27 7022.19,7421.27 v1@7362.77,7761.85 ; pad.2@6914.77,6215.43 7052.17,6215.43 7429.38,5838.22 pad.2@7557.64,5838.22 ; H26.6 7534.03,9147.68 H23.3 ; v1(7679.71,7843.74) 7684.43,7848.47 v1(7684.43,7959.1) ; v1@7722.22,8868.55 7908.44,8868.55 v1(7910.41,8866.58) ; v1@7910.37,8866.53 8270.27,8867.33 8299.39,8867.36 8467.1,8699.65 8486,8699.65 8525.77,8659.89 8525.77,8547.68 H24.2@8415.14,8437.05 ; v1(7932.07,8503.98) 7997.42,8569.33 v1(7997.42,8603.59) 7997.42,8789.8 v1(8073.8,8866.18)
  other v1: 7362.78,7761.85 7675.38,8255.95 7722.23,8868.55
pads on no net: U96. U97. U99. U106. U107. U108. U109. U110. U111. U112. U113. U114. U115. U116. U117. U118. U119. U120. U121. U122. U123. U124. U125. U126. U127. U128. U129. U131. U132.

## Polygon pours and split planes (outlines as drawn)
VSS_PCA on Bottom Layer (solid): 1658.26,10030.75 1695.27,9993.74 8806.67,9993.74 8862.18,9938.23 8862.18,5271.7 8796.63,4737.45 1660.03,4737.45
VSS_PCA on Top Layer (solid): 1772.23,9905.16 8871.04,9940.99 8837.97,9550.83 9023.8,5018.55 8983.64,4723.28 1740.74,4780.36

## Silkscreen, mask and mechanical layers (free items; w line width, h text height)
Top Overlay:
  circle w11.81: c8143.09,7958.66 r5.91
  lines w3.94 net S$91322: 8133.25,9444.92 8133.25,9692.95
  lines w3.94 net S$91326: 7704.9,9655.16 8348.99,9655.16
  lines w6: 7598.75,7781.88 8155.93,7781.88 8155.93,7988.29 7598.75,7988.29 7598.75,7781.88
  lines w10: 6291.3,5669.9 6761.82,5398.25 7033.47,5868.77 6562.95,6140.42 6291.3,5669.9 ; 6539.16,8286.65 7082.47,8286.65 7082.47,8829.96 6539.16,8829.96 6539.16,8286.65 ; 6540.34,7381.93 7083.65,7381.93 7083.65,7925.24 6540.34,7925.24 6540.34,7381.93 ; 6629.9,5921.75 6810.61,5817.42 6874.58,5928.23 6693.88,6032.56 6629.9,5921.75 ; 6661.77,6310.84 7132.29,6039.19 7403.94,6509.71 6933.42,6781.36 6661.77,6310.84 ; 6706.48,8674.06 6915.14,8674.06 6915.14,8802.01 6706.48,8802.01 6706.48,8674.06 ; 6707.66,7769.34 6916.32,7769.34 6916.32,7897.29 6707.66,7897.29 6707.66,7769.34 ; 6932.24,5299.82 7402.76,5028.17 7674.41,5498.69 7203.9,5770.34 6932.24,5299.82 ; 7000.38,6562.69 7181.08,6458.36 7245.06,6569.17 7064.35,6673.5 7000.38,6562.69 ; 7270.85,5551.67 7451.55,5447.34 7515.53,5558.15 7334.82,5662.48 7270.85,5551.67 ; 7302.71,5939.98 7773.23,5668.32 8044.89,6138.84 7574.37,6410.5 7302.71,5939.98 ; 7641.32,6191.82 7822.02,6087.49 7886,6198.3 7705.3,6302.63 7641.32,6191.82
  lines w10 net S$91134: 7687.18,8103.59 8083.64,8103.59
  lines w10 net S$91138: 7855.85,6459.33 7800.18,6515.01 7814.52,7595.15 7758.84,7650.83 ; 7758.84,7650.83 7758.84,7650.83
  text "lil' cheat sheet:" at 6924.19,9721.3 h39.37
  text "A1" at 7878,9666.21 h39.37 r69
  text "A2" at 7708.44,9653.58 h39.37
  text "A0" at 8003.32,9653.58 h39.37
  text "ADDR" at 8197.02,9653.58 h39.37
  text "0" at 7730.1,9631.14 h39.37 r180
  text "0" at 7884.03,9630.75 h39.37 r180
  text "0" at 8034.03,9630.75 h39.37 r180
  text "0x20" at 8208.05,9591.77 h39.37
  text "0" at 7731.67,9572.48 h39.37 r180
  text "0" at 7885.61,9572.08 h39.37 r180
  text "1" at 8035.61,9572.08 h39.37 r180
  text "0x21" at 8209.62,9533.11 h39.37
  text "0" at 7731.67,9519.33 h39.37 r180
  text "1" at 7885.61,9518.94 h39.37 r180
  text "0" at 8035.61,9518.94 h39.37 r180
  text "0100 +" at 7421.83,9516.58 h39.37
  text "0x22" at 8209.62,9479.96 h39.37
  text "0" at 7730.89,9468.15 h39.37 r180
  text "1" at 7884.82,9467.75 h39.37 r180
  text "1" at 8034.82,9467.75 h39.37 r180
  text "0x23" at 8208.84,9428.78 h39.37
  text "etc..." at 7991.91,9338.23 h39.37
  text "scl" at 7695.85,9254.77 h39.37 r90
  text "sda" at 7804.11,9250.83 h39.37 r90
  text "vss" at 7597.03,9243.74 h39.37 r90
  text "1" at 7958.05,9020.91 h39.37 r180
  text "1" at 7793.09,9018.94 h39.37 r180
  text "1" at 8162.38,9018.94 h39.37 r180
  text "0" at 8252.14,8825.24 h39.37 r180
  text "0" at 7893.09,8824.06 h39.37 r180
  text "0" at 8052.14,8823.27 h39.37 r180
  text "A1" at 7950.44,8740.23 h39.37 r69
  text "A2" at 7767.1,8727.6 h39.37
  text "A0" at 8126.16,8725.24 h39.37
  text "3V3" at 8476.18,8500.31 h39.37
  text "VSS" at 8487.2,8401.49 h39.37
  text "VSS" at 2497.43,8351.62 h31.5
  text "5V" at 2390.74,8351.23 h31.5
  text "3V3" at 2609.24,8349.65 h31.5
  text "vss" at 2960.82,8348.86 h39.37
  text "scl" at 2873.18,8346.54 h39.37 r12
  text "sda" at 2756.73,8345.35 h39.37 r3
  text "5V" at 8483.27,8293.22 h39.37
  text "LEFT V0" at 7708.84,8092.56 h59.05
  text "AV-RK MK II" at 7577.34,7578.39 h118.11 r270
Bottom Overlay:
  text "github.com/avmolaei/AV-RK-MK2" at 8539.95,9399.64 h196.85 r359
  text ">Make PCB to avoid handwire" at 6361.6,8643.35 h196.85
  text ">Look inside keyboard" at 6357.65,8446.5 h196.85
  text ">Wires" at 6357.65,8256.74 h196.85
  text "\"insert funny silkscreen joke here\"" at 3871.44,5316.98 h118.11
Document:
  drawing of 201 lines, arcs and shapes, not listed